# Altium PCB norbi_lm.PcbDoc (part 4 of 5)
Units mm, origin at the board's own origin, x right, y up, seen from the top; angles counter-clockwise.
Board outline 96.04 x 102.67 mm, 6 copper layers (Top Layer, Power Layer, Signal Layer 1, GND Plane, Signal Layer 2, Bottom Layer), stack 1.48 mm thick; 451 components, 338 nets, 1877 pads, 1157 vias.
Unrouted connection lines stored in the file: 161.
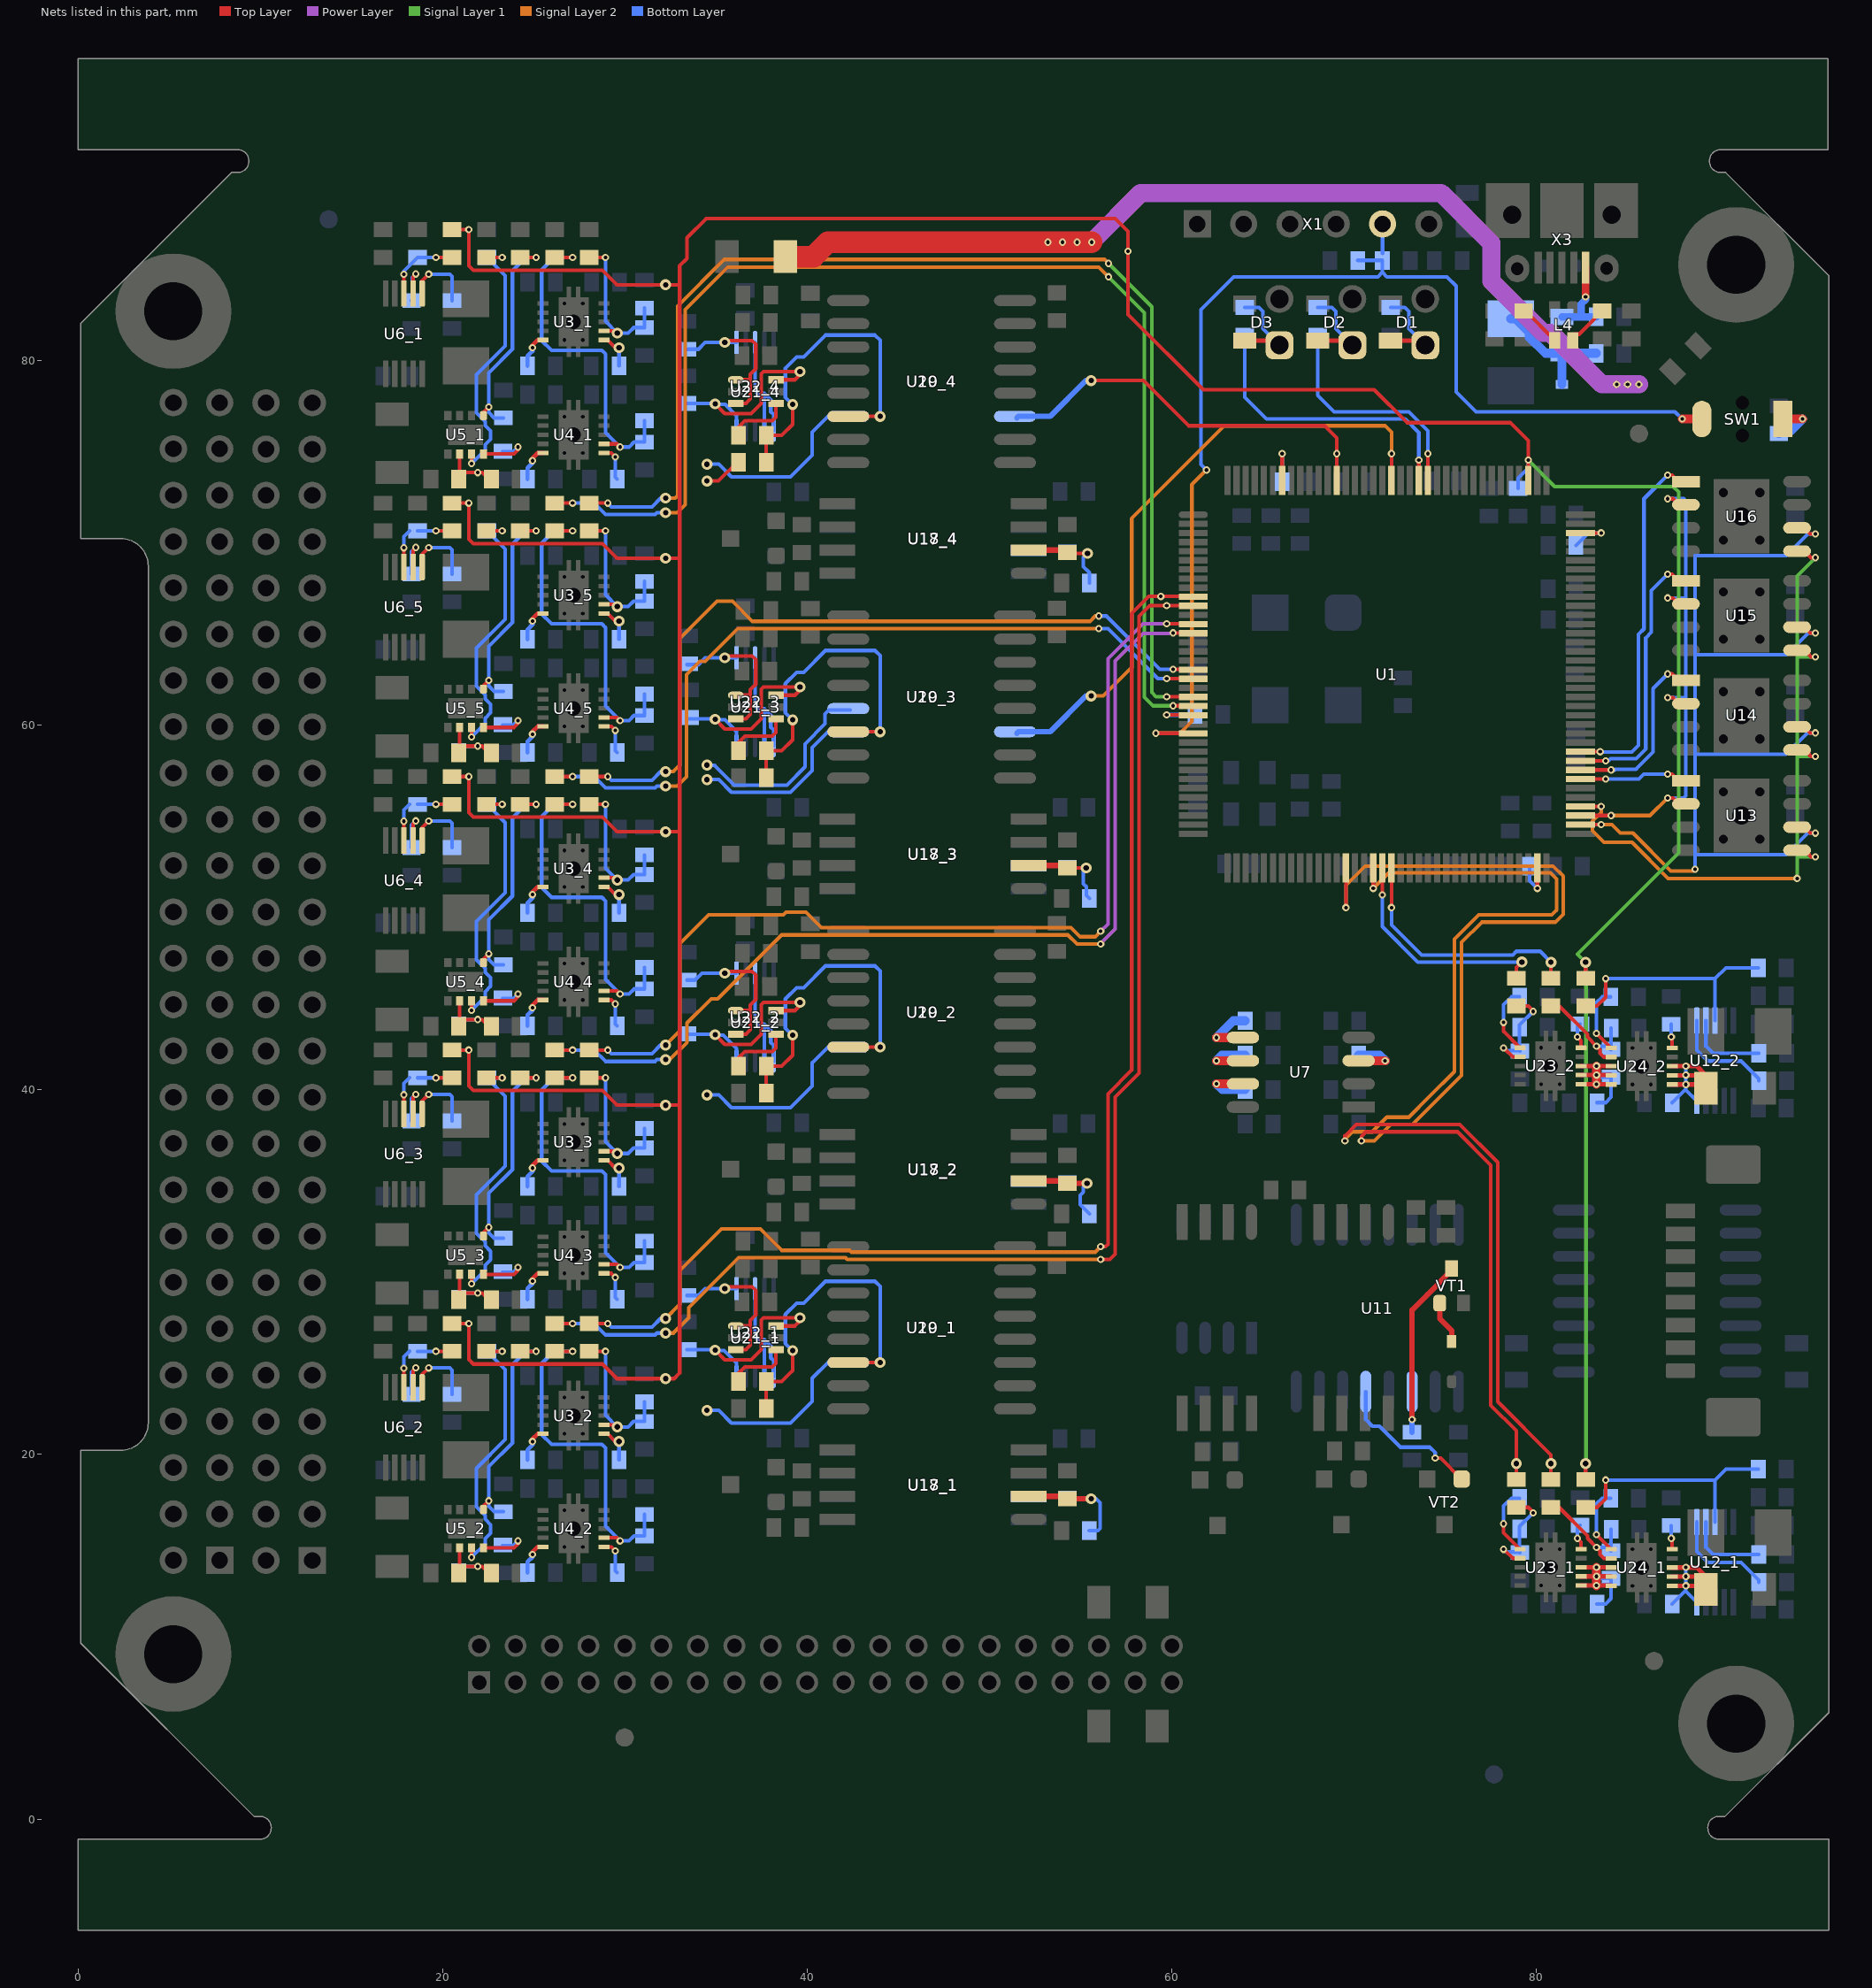
[diagram p8: the nets of this part, all layers, seen from the top]

## Via types
v1: diameter 0.4, hole 0.2, Top Layer to Bottom Layer, tented both sides, 743 vias
v2: diameter 0.6, hole 0.3, Top Layer to Bottom Layer, 348 vias
v3: diameter 0.6, hole 0.6, Top Layer to Bottom Layer, 16 vias
v4: diameter 0.7, hole 0.4, Top Layer to Bottom Layer, 16 vias
v5: diameter 0.5, hole 0.2, Top Layer to Bottom Layer, 10 vias
v6: diameter 0.7, hole 0.35, Top Layer to Bottom Layer, 7 vias
v7: diameter 1.1, hole 0.8, Top Layer to Bottom Layer, 5 vias
v8: diameter 1.3, hole 0.85, Top Layer to Bottom Layer, 4 vias
v9: diameter 1, hole 0.7, Top Layer to Bottom Layer, 2 vias
v10: diameter 0.5, hole 0.3, Top Layer to Bottom Layer, 2 vias
v11: diameter 4.5, hole 3, Top Layer to Bottom Layer, 2 vias
v12: diameter 0.6, hole 0.4, Top Layer to Bottom Layer, 1 vias
v13: diameter 1.2, hole 0.8, Top Layer to Bottom Layer, 1 vias

## Nets (pads, with @x,y where several pads share a name; then routed paths per layer and width w, separated by ;. In a path a pad name is that pad's centre, name@x,y a point inside that pad or via, vN(x,y) a via of type N, cw(c..) or ccw(c..) an arc to the next point about the centre after c; other vN are vias at no path point) (continued)
KU_3_PL1.2: U1.126 U19_3.6 | length 35.1
  Top Layer w0.2: U1.126@72.05,73.425 v1(72.05,74.9)
  Signal Layer 2 w0.2: v2(55.578,61.61) 56.245,61.61 57.8,63.165 57.8,71.334 62.896,76.43 71.702,76.43 72.05,76.082 v1(72.05,74.9)
  Bottom Layer w0.3: U19_3.6@51.5,59.56 51.585,59.645 53.325,59.645 55.3,61.62 55.31,61.61 v2(55.578,61.61)
KU_3_PL2: U1.132 U19_4.6 | length 22
  Top Layer w0.2: v2(55.578,78.91) 58.44,78.91 60.92,76.43 68.37,76.43 69.05,75.75 v1(69.05,74.9) U1.132@69.05,73.425
  Bottom Layer w0.3: U19_4.6@51.5,76.86 51.585,76.945 53.325,76.945 55.3,78.92 55.31,78.91 v2(55.578,78.91)
KU_3_PL_PL1.1A: U19_1.11 | length 10.3
  Bottom Layer w0.2: v2(34.5,22.42) 35.142,22.42 35.842,21.72 39.078,21.72 40.278,22.92 40.278,24.184 41.139,25.045 U19_1.11@42.25,25.045 42.265,25.045 U19_1.11@42.35,24.96
KU_3_PL_PL1.1B: U19_2.11 | length 10.3
  Bottom Layer w0.2: v2(34.5,39.72) 35.142,39.72 35.842,39.02 39.078,39.02 40.278,40.22 40.278,41.484 41.139,42.345 U19_2.11@42.25,42.345 42.265,42.345 U19_2.11@42.35,42.26
KU_3_PL_PL2: U19_4.11 | length 10.3
  Bottom Layer w0.2: v2(34.5,74.32) 35.142,74.32 35.842,73.62 39.078,73.62 40.278,74.82 40.278,76.084 41.139,76.945 U19_4.11@42.25,76.945 42.265,76.945 U19_4.11@42.35,76.86
KU_PL_2_PL1.2: U19_3.12 | length 11.1
  Bottom Layer w0.2: v2@34.5,57.81 34.918,57.81 36.008,56.72 38.878,56.72 39.878,57.72 39.878,58.978 40.978,60.078 40.978,60.62 41.188,60.83 U19_3.12@42.35,60.83
  other v2: 34.5,57.82
KU_PL_3_PL1.2: U19_3.11 | length 10.3
  Bottom Layer w0.2: v2(34.5,57.02) 35.142,57.02 35.842,56.32 39.078,56.32 40.278,57.52 40.278,58.784 41.139,59.645 U19_3.11@42.25,59.645 42.265,59.645 U19_3.11@42.35,59.56
LED_CONNECTION: R18.1 U1.123 | length 16.4
  Top Layer w0.2: U1.123@73.55,73.425 v1(73.55,74.55)
  Bottom Layer w0.2: R18.1@64,81.4 64,78 65.2,76.8 72.8,76.8 73.55,76.05 v1(73.55,74.55)
LED_MCU_STATE: R17.1 U1.122 | length 12.9
  Top Layer w0.2: U1.122@74.05,73.425 v1(74.05,74.9)
  Bottom Layer w0.2: R17.1@68,81.4 68,78.1 68.9,77.2 73,77.2 74.05,76.15 v1(74.05,74.9)
MEM_CS0: U1.79 U13.1 | length 6.1
  Top Layer w0.2: U1.79@82.425,57.05 v1@83.9,57.05 ; v1(87.2,57.315) 87.45,57.315 87.542,57.223 87.542,57.172 87.759,56.955 U13.1@88.204,56.955
  Bottom Layer w0.2: v1@83.9,57.05 85.625,57.05 85.89,57.315 v1(87.2,57.315)
  other v1: 83.8,57.05
MEM_CS1: U1.80 U14.1 | length 10
  Top Layer w0.2: U1.80@82.425,57.55 v1(84.1,57.55) ; v1(87.2,62.815) 87.45,62.815 87.542,62.723 87.542,62.672 87.759,62.455 U14.1@88.204,62.455
  Bottom Layer w0.2: 84.3,57.55 84.338,57.588 85.462,57.588 86.4,58.527 86.4,62.015 v1(87.2,62.815)
MEM_CS2: U1.81 U15.1 | length 15.1
  Top Layer w0.2: U1.81@82.425,58.05 v1(83.8,58.05) v1@83.9,58.05 ; v1(87.2,68.285) 87.45,68.285 87.542,68.193 87.542,68.142 87.759,67.925 U15.1@88.204,67.925
  Bottom Layer w0.2: v1@83.9,58.05 83.954,58.05 84.07,58.166 85.466,58.166 86,58.7 86,64.8 86.3,65.1 86.3,67.385 v1(87.2,68.285)
MEM_CS3: U1.82 U16.1 | length 20
  Top Layer w0.2: U1.82@82.425,58.55 v1(83.5,58.55) v1@83.55,58.55 ; v1(87.2,73.725) 87.45,73.725 87.542,73.633 87.542,73.582 87.759,73.365 U16.1@88.204,73.365
  Bottom Layer w0.2: v1@83.55,58.55 83.564,58.536 85.236,58.536 85.6,58.9 85.6,64.99 85.9,65.29 85.9,72.425 v1(87.2,73.725)
MEM_MISO: U1.75 U13.2 U14.2 U15.2 U16.2 | length 29.8
  Top Layer w0.2: U1.75@82.425,55.05 v1(84.1,55.05) ; v1(87.2,56.015) 87.5,56.015 87.83,55.685 U13.2@88.204,55.685 ; v1(87.2,61.515) 87.5,61.515 87.83,61.185 U14.2@88.204,61.185 ; v1(87.2,66.985) 87.5,66.985 87.83,66.655 U15.2@88.204,66.655 ; v1(87.2,72.425) 87.5,72.425 87.83,72.095 U16.2@88.204,72.095
  Signal Layer 2 w0.2: 84.3,55.05 86.235,55.05 v1(87.2,56.015)
  Bottom Layer w0.2: v1(87.2,56.015) 88.083,56.015 88.2,56.132 88.2,61.515 ; v1(87.2,61.515) 88.2,61.515 ; v1(87.2,66.985) 88.17,66.985 88.2,67.015 ; v1(87.2,72.425) 88.083,72.425 88.2,72.308 88.2,67.015 ; 88.2,61.515 88.2,67.015
MEM_MOSI: U1.76 U13.5 U14.5 U15.5 U16.5 | length 40.8
  Top Layer w0.2: U1.76@82.425,55.55 v1(83.55,55.55) ; U13.5@94.3,53.145 94.744,53.145 94.962,52.927 94.962,52.877 95.054,52.785 v1(95.304,52.785) ; U14.5@94.3,58.645 94.744,58.645 94.962,58.427 94.962,58.377 95.054,58.285 v1(95.304,58.285) ; U15.5@94.3,64.115 94.744,64.115 94.962,63.897 94.962,63.847 95.054,63.755 v1(95.304,63.755) ; U16.5@94.3,69.555 94.744,69.555 94.962,69.337 94.962,69.287 95.054,69.195 v1(95.304,69.195)
  Signal Layer 1 w0.2: v1(94.3,51.6) 94.3,52.8 ; v1(95.304,52.785) 94.315,52.785 94.3,52.8 ; v1(95.304,58.285) 94.385,58.285 94.3,58.2 ; v1(95.304,63.755) 94.345,63.755 94.3,63.8 ; v1(95.304,69.195) 94.3,68.191 94.3,63.8 ; 94.3,52.8 94.3,58.2 ; 94.3,58.2 94.3,63.8
  Signal Layer 2 w0.2: v1(83.55,55.55) 83.55,55.215 83.08,54.745 83.08,54.205 83.705,53.58 85.244,53.58 87.224,51.6 v1(94.3,51.6)
MEM_SCK: U1.74 U13.6 U14.6 U15.6 U16.6 | length 57.5
  Top Layer w0.2: U1.74@82.425,54.55 v1(83.55,54.55) ; U13.6@94.3,54.415 94.674,54.415 95.004,54.085 v1(95.304,54.085) ; U14.6@94.3,59.915 94.674,59.915 95.004,59.585 v1(95.304,59.585) ; U15.6@94.3,65.385 94.674,65.385 95.004,65.055 v1(95.304,65.055) ; U16.6@94.3,70.825 94.674,70.825 95.004,70.495 v1(95.304,70.495)
  Signal Layer 2 w0.2: v1(83.55,54.55) 84.135,54.55 84.6,54.085 85.293,54.085 87.378,52 88.6,52 v1(88.7,52.1)
  Bottom Layer w0.2: v1(88.7,52.1) 88.7,52.905 ; v1(95.304,54.085) 94.885,54.085 93.705,52.905 88.7,52.905 ; v1(95.304,59.585) 94.865,59.585 93.685,58.405 88.7,58.405 ; v1(95.304,65.055) 94.905,65.055 93.725,63.875 88.7,63.875 ; v1(95.304,70.495) 94.895,70.495 93.715,69.315 88.7,69.315 88.7,63.875 ; 88.7,52.905 88.7,58.405 ; 88.7,58.405 88.7,63.875
NetC1_2: C1.2 U1.106 | length 2.8
  Top Layer w0.2: U1.106@82.425,70.55 v1(83.55,70.55)
  Bottom Layer w0.2: C1.2@82.169,69.867 82.852,70.55 v1(83.55,70.55)
NetC2_2: C2.2 U1.71 | length 2.5
  Top Layer w0.2: v1(80.05,51.05) U1.71@80.05,52.175
  Bottom Layer w0.2: C2.2@79.624,52.278 79.624,51.476 v1(80.05,51.05)
NetC24_1_2: C24_1.2 U3_1.1 | length 2
  Top Layer w0.2: U3_1.1@28.857,81.133 29.057,81.133 29.478,80.712 v2(29.678,80.712)
  Bottom Layer w0.2: C24_1.2@29.678,79.712 29.678,80.612 v2(29.678,80.712)
NetC24_2_2: C24_2.2 U3_2.1 | length 2
  Top Layer w0.2: U3_2.1@28.857,21.133 29.057,21.133 29.478,20.712 v2(29.678,20.712)
  Bottom Layer w0.2: C24_2.2@29.678,19.712 29.678,20.612 v2(29.678,20.712)
NetC24_3_2: C24_3.2 U3_3.1 | length 2
  Top Layer w0.2: U3_3.1@28.857,36.133 29.057,36.133 29.478,35.712 v2(29.678,35.712)
  Bottom Layer w0.2: C24_3.2@29.678,34.712 29.678,35.612 v2(29.678,35.712)
NetC24_4_2: C24_4.2 U3_4.1 | length 2
  Top Layer w0.2: U3_4.1@28.857,51.133 29.057,51.133 29.478,50.712 v2(29.678,50.712)
  Bottom Layer w0.2: C24_4.2@29.678,49.712 29.678,50.612 v2(29.678,50.712)
NetC24_5_2: C24_5.2 U3_5.1 | length 2
  Top Layer w0.2: U3_5.1@28.857,66.133 29.057,66.133 29.478,65.712 v2(29.678,65.712)
  Bottom Layer w0.2: C24_5.2@29.678,64.712 29.678,65.612 v2(29.678,65.712)
NetC26_1_2: C26_1.2 U4_1.1 | length 2
  Top Layer w0.2: U4_1.1@28.857,74.933 29.259,74.933 v1(29.478,74.714)
  Bottom Layer w0.2: v1(29.478,74.714) 29.478,73.612 29.529,73.561 C26_1.2@29.578,73.512
NetC26_2_2: C26_2.2 U4_2.1 | length 2
  Top Layer w0.2: U4_2.1@28.857,14.933 29.259,14.933 v1(29.478,14.714)
  Bottom Layer w0.2: v1(29.478,14.714) 29.478,13.612 29.529,13.561 C26_2.2@29.578,13.512
NetC26_3_2: C26_3.2 U4_3.1 | length 2
  Top Layer w0.2: U4_3.1@28.857,29.933 29.259,29.933 v1(29.478,29.714)
  Bottom Layer w0.2: v1(29.478,29.714) 29.478,28.612 29.529,28.561 C26_3.2@29.578,28.512
NetC26_4_2: C26_4.2 U4_4.1 | length 2
  Top Layer w0.2: U4_4.1@28.857,44.933 29.259,44.933 v1(29.478,44.714)
  Bottom Layer w0.2: v1(29.478,44.714) 29.478,43.612 29.529,43.561 C26_4.2@29.578,43.512
NetC26_5_2: C26_5.2 U4_5.1 | length 2
  Top Layer w0.2: U4_5.1@28.857,59.933 29.259,59.933 v1(29.478,59.714)
  Bottom Layer w0.2: v1(29.478,59.714) 29.478,58.612 29.529,58.561 C26_5.2@29.578,58.512
NetC28_1_2: C28_1.2 U5_1.8 | length 3.1
  Top Layer w0.2: U5_1.8@22.237,74.882 23.908,74.882 24.132,75.105 v1(24.132,75.261)
  Bottom Layer w0.2: C28_1.2@23.278,75.002 23.874,75.002 v1(24.132,75.261)
NetC28_2_2: C28_2.2 U5_2.8 | length 3.1
  Top Layer w0.2: U5_2.8@22.237,14.882 23.908,14.882 24.132,15.105 v1(24.132,15.261)
  Bottom Layer w0.2: C28_2.2@23.278,15.002 23.874,15.002 v1(24.132,15.261)
NetC28_3_2: C28_3.2 U5_3.8 | length 3.1
  Top Layer w0.2: U5_3.8@22.237,29.882 23.908,29.882 24.132,30.105 v1(24.132,30.261)
  Bottom Layer w0.2: C28_3.2@23.278,30.002 23.874,30.002 v1(24.132,30.261)
NetC28_4_2: C28_4.2 U5_4.8 | length 3.1
  Top Layer w0.2: U5_4.8@22.237,44.882 23.908,44.882 24.132,45.105 v1(24.132,45.261)
  Bottom Layer w0.2: C28_4.2@23.278,45.002 23.874,45.002 v1(24.132,45.261)
NetC28_5_2: C28_5.2 U5_5.8 | length 3.1
  Top Layer w0.2: U5_5.8@22.237,59.882 23.908,59.882 24.132,60.105 v1(24.132,60.261)
  Bottom Layer w0.2: C28_5.2@23.278,60.002 23.874,60.002 v1(24.132,60.261)
NetC39_1_2: C39_1.2 R57_1.2 U23_1.6 U23_1.7 U23_1.8 U24_1.3 U24_1.4 U24_1.5 | length 9.8
  Top Layer w0.2: v1@83.295,13.312 v1(83.3,13.312) ; v1@83.295,13.807 v1(83.3,13.812) ; U24_1.5@84.088,12.812 U24_1.5@84.1,12.8 ; U24_1.4@84.088,13.312 U24_1.4@84.1,13.3 ; U24_1.3@84.088,13.812 U24_1.3@84.1,13.8
  Top Layer w0.25: U23_1.6@82.45,12.812 v1(83.295,12.812) U24_1.5@84.088,12.812 ; U23_1.7@82.45,13.312 v1@83.295,13.312 ; U23_1.8@82.45,13.812 v1(83.3,13.812) U24_1.3@84.088,13.812 ; v1(83.3,13.312) U24_1.4@84.088,13.312
  Top Layer w0.5: v1(83.295,12.812) 83.295,13.312 v1@83.295,13.807
  Bottom Layer w0.2: v1(83.295,12.812) v1@83.295,13.2 ; v1(83.3,13.812) v1(83.3,13.312) 83.3,13.205 v1@83.295,13.2 ; C39_1.2@83.324,11.8 83.8,11.8 84.1,12.1 R57_1.2@84.1,13.2 v1@83.295,13.2
NetC39_2_2: C39_2.2 R57_2.2 U23_2.6 U23_2.7 U23_2.8 U24_2.3 U24_2.4 U24_2.5 | length 9.8
  Top Layer w0.2: v1@83.295,40.812 v1(83.3,40.812) ; v1@83.295,41.307 v1(83.3,41.312) ; U24_2.5@84.088,40.312 U24_2.5@84.1,40.3 ; U24_2.4@84.088,40.812 U24_2.4@84.1,40.8 ; U24_2.3@84.088,41.312 U24_2.3@84.1,41.3
  Top Layer w0.25: U23_2.6@82.45,40.312 v1(83.295,40.312) U24_2.5@84.088,40.312 ; U23_2.7@82.45,40.812 v1@83.295,40.812 ; U23_2.8@82.45,41.312 v1(83.3,41.312) U24_2.3@84.088,41.312 ; v1(83.3,40.812) U24_2.4@84.088,40.812
  Top Layer w0.5: v1(83.295,40.312) 83.295,40.812 v1@83.295,41.307
  Bottom Layer w0.2: v1(83.295,40.312) v1@83.295,40.7 ; v1(83.3,41.312) v1(83.3,40.812) 83.3,40.705 v1@83.295,40.7 ; C39_2.2@83.324,39.3 83.8,39.3 84.1,39.6 R57_2.2@84.1,40.7 v1@83.295,40.7
NetC40_1_2: C40_1.2 U23_1.1 | length 3.8
  Top Layer w0.2: v1@78.3,16.2 78.2,16.1 78.2,15.712 U23_1.1@79.1,14.812
  Bottom Layer w0.2: v1(78.2,16.2) 78.2,17.176 78.624,17.6 C40_1.2@79.076,17.6
NetC40_2_2: C40_2.2 U23_2.1 | length 3.8
  Top Layer w0.2: v1@78.3,43.7 78.2,43.6 78.2,43.212 U23_2.1@79.1,42.312
  Bottom Layer w0.2: v1(78.2,43.7) 78.2,44.676 78.624,45.1 C40_2.2@79.076,45.1
NetC41_1_2: C41_1.2 R61_1.2 U12_1.10 U24_1.6 U24_1.7 U24_1.8 | length 9.2
  Top Layer w0.2: R61_1.2@88.8,12.8 R61_1.2@89.3,13.3
  Top Layer w0.25: U24_1.6@87.45,12.8 v1(88.2,12.8) R61_1.2@88.8,12.8 ; U24_1.7@87.45,13.3 88.2,13.3 89.3,13.3 88.8,13.8 88.2,13.8 U24_1.8@87.45,13.8
  Bottom Layer w0.2: C41_1.2@87.45,11.8 88.2,12.55 ; v1(88.2,13.807) v1(88.2,13.312) v1(88.2,12.8) 88.2,12.55 ; U12_1.10@88.8,11.9 88.2,12.5 88.2,12.55
NetC41_2_2: C41_2.2 R61_2.2 U12_2.10 U24_2.6 U24_2.7 U24_2.8 | length 9.2
  Top Layer w0.2: R61_2.2@88.8,40.3 R61_2.2@89.3,40.8
  Top Layer w0.25: U24_2.6@87.45,40.3 v1(88.2,40.3) R61_2.2@88.8,40.3 ; U24_2.7@87.45,40.8 88.2,40.8 89.3,40.8 88.8,41.3 88.2,41.3 U24_2.8@87.45,41.3
  Bottom Layer w0.2: C41_2.2@87.45,39.3 88.2,40.05 ; v1(88.2,41.307) v1(88.2,40.812) v1(88.2,40.3) 88.2,40.05 ; U12_2.10@88.8,39.4 88.2,40 88.2,40.05
NetC42_1_2: C42_1.2 U24_1.1 | length 3.7
  Top Layer w0.2: v1(83.295,15.605) U24_1.1@84.1,14.8
  Bottom Layer w0.2: v1(83.295,15.605) 83.295,17.295 83.6,17.6 C42_1.2@84.076,17.6
NetC42_2_2: C42_2.2 U24_2.1 | length 3.7
  Top Layer w0.2: v1(83.295,43.105) U24_2.1@84.1,42.3
  Bottom Layer w0.2: v1(83.295,43.105) 83.295,44.795 83.6,45.1 C42_2.2@84.076,45.1
NetC58_1: C58.1 C60.2 L3.2 VD2.2 | length 7.3
  Bottom Layer w0.5: C58.1@78.6,82.3 78.854,82.3 79.62,81.534 79.62,81.28 80.5,80.4 L3.2@81.4,80.4 ; VD2.2@81.4,78.7 L3.2@81.4,80.4 ; C60.2@83.276,80.4 L3.2@81.4,80.4
NetC59_2: C59.2 L3.1 X3.1 | length 4.7
  Top Layer w0.4: v1(82.7,83.5) X3.1@82.7,85.1
  Bottom Layer w0.4: L3.1@81.4,82.4 82.338,82.4 ; v1(82.7,83.5) 82.7,83.35 82.45,83.1 82.45,82.512 82.338,82.4 ; C59.2@83.276,82.4 82.338,82.4
NetD1_1: D1.1 R16.2 | length 3.3
  Bottom Layer w0.2: R16.2@72,82.924 72.776,82.924 73,82.7 73,81.751 D1.1@73.905,80.846
NetD2_1: D2.1 R17.2 | length 3.3
  Bottom Layer w0.2: R17.2@68,82.924 68.776,82.924 69,82.7 69,81.751 D2.1@69.905,80.846
NetD3_1: D3.1 R18.2 | length 3.3
  Bottom Layer w0.2: R18.2@64,82.924 64.776,82.924 65,82.7 65,81.751 D3.1@65.905,80.846
NetL4_3: L4.3 R78.2 | length 2.7
  Top Layer w0.2: R78.2@79.3,82.724 79.626,82.724 79.626,82.5 80.676,81.45 80.9,81.45 81.1,81.25 L4.3@81.1,81.1
NetL4_4: L4.4 R79.2 | length 2.4
  Top Layer w0.2: L4.4@82.1,81.1 82.1,81.45 82.35,81.45 83.2,82.3 83.2,82.418 83.506,82.724 R79.2@83.6,82.724
NetR1_1: R1.1 VD2.1 | length 58.2
  Top Layer w1.2: R1.1@38.9,85.7 40.34,85.7 41.139,86.5 v1(53.2,86.5) v1(54,86.5) v1(54.8,86.5) v1(55.6,86.5)
  Power Layer w1: v1(53.2,86.5) v1(54,86.5) v1(54.8,86.5) v1(55.6,86.5) 58.3,89.2 74.772,89.2 77.53,86.442 77.53,84.362 80.361,81.531 80.769,81.531 83.6,78.7 v1(85.624,78.7)
  Bottom Layer w0.5: VD2.1@83.6,78.7 v1(85.624,78.7)
  other v1: 84.4,78.7 85,78.7
NetR4_1: R4.1 U1.23 | length 3
  Top Layer w0.2: v1(59.716,60.566) U1.23@61.191,60.566
  Bottom Layer w0.2: R4.1@61.242,60.566 R4.1@61.276,60.6
  Bottom Layer w0.25: v1(59.716,60.566) R4.1@61.242,60.566
NetR7_2: R7.2 U1.138 | length 3
  Top Layer w0.2: U1.138@66.05,73.425 v1(66.05,74.9)
  Bottom Layer w0.2: R7.2@66.05,73.35 v1(66.05,74.9)
NetR19_1: R19.1 SW1.2 | length 2.7
  Top Layer w0.5: SW1.2@93.525,76.8 v1(94.6,76.8)
  Bottom Layer w0.5: R19.1@93.3,76 93.456,76.156 93.956,76.156 v1(94.6,76.8)
NetR21_1_2: R21_1.2 R22_1.1 R24_1.1 U3_1.2 | length 8.8
  Top Layer w0.2: R24_1.1@28.032,85.661 v1(28.932,85.661) ; U3_1.2@28.857,81.633 29.457,81.633 v2(29.578,81.512)
  Bottom Layer w0.2: v1(28.932,85.661) 28.932,82.158 v2(29.578,81.512) 30.178,81.512 30.478,81.812 R22_1.1@31.078,81.812 R21_1.2@31.078,82.888
NetR21_2_2: R21_2.2 R22_2.1 R24_2.1 U3_2.2 | length 8.8
  Top Layer w0.2: R24_2.1@28.032,25.661 v1(28.932,25.661) ; U3_2.2@28.857,21.633 29.457,21.633 v2(29.578,21.512)
  Bottom Layer w0.2: v1(28.932,25.661) 28.932,22.158 v2(29.578,21.512) 30.178,21.512 30.478,21.812 R22_2.1@31.078,21.812 R21_2.2@31.078,22.888
NetR21_3_2: R21_3.2 R22_3.1 R24_3.1 U3_3.2 | length 8.8
  Top Layer w0.2: R24_3.1@28.032,40.661 v1(28.932,40.661) ; U3_3.2@28.857,36.633 29.457,36.633 v2(29.578,36.512)
  Bottom Layer w0.2: v1(28.932,40.661) 28.932,37.158 v2(29.578,36.512) 30.178,36.512 30.478,36.812 R22_3.1@31.078,36.812 R21_3.2@31.078,37.888
NetR21_4_2: R21_4.2 R22_4.1 R24_4.1 U3_4.2 | length 8.8
  Top Layer w0.2: R24_4.1@28.032,55.661 v1(28.932,55.661) ; U3_4.2@28.857,51.633 29.457,51.633 v2(29.578,51.512)
  Bottom Layer w0.2: v1(28.932,55.661) 28.932,52.158 v2(29.578,51.512) 30.178,51.512 30.478,51.812 R22_4.1@31.078,51.812 R21_4.2@31.078,52.888
NetR21_5_2: R21_5.2 R22_5.1 R24_5.1 U3_5.2 | length 8.8
  Top Layer w0.2: R24_5.1@28.032,70.661 v1(28.932,70.661) ; U3_5.2@28.857,66.633 29.457,66.633 v2(29.578,66.512)
  Bottom Layer w0.2: v1(28.932,70.661) 28.932,67.158 v2(29.578,66.512) 30.178,66.512 30.478,66.812 R22_5.1@31.078,66.812 R21_5.2@31.078,67.888
NetR23_1_2: R23_1.2 U3_1.10 | length 1.5
  Top Layer w0.24: v1@24.928,80.846 U3_1.10@25.215,81.133
  Bottom Layer w0.24: R23_1.2@24.654,79.712 24.654,80.25 24.928,80.523 v1(24.928,80.712)
NetR23_2_2: R23_2.2 U3_2.10 | length 1.5
  Top Layer w0.24: v1@24.928,20.846 U3_2.10@25.215,21.133
  Bottom Layer w0.24: R23_2.2@24.654,19.712 24.654,20.25 24.928,20.523 v1(24.928,20.712)
NetR23_3_2: R23_3.2 U3_3.10 | length 1.5
  Top Layer w0.24: v1@24.928,35.846 U3_3.10@25.215,36.133
  Bottom Layer w0.24: R23_3.2@24.654,34.712 24.654,35.25 24.928,35.523 v1(24.928,35.712)
NetR23_4_2: R23_4.2 U3_4.10 | length 1.5
  Top Layer w0.24: v1@24.928,50.846 U3_4.10@25.215,51.133
  Bottom Layer w0.24: R23_4.2@24.654,49.712 24.654,50.25 24.928,50.523 v1(24.928,50.712)
NetR23_5_2: R23_5.2 U3_5.10 | length 1.5
  Top Layer w0.24: v1@24.928,65.846 U3_5.10@25.215,66.133
  Bottom Layer w0.24: R23_5.2@24.654,64.712 24.654,65.25 24.928,65.523 v1(24.928,65.712)
NetR25_1_1: R25_1.1 R27_1.2 R28_1.1 U4_1.2 | length 19.7
  Top Layer w0.2: R25_1.1@26.149,85.661 v1(27.132,85.661) ; U4_1.2@28.857,75.433 29.559,75.433 v1(29.732,75.261)
  Bottom Layer w0.2: v1(27.132,85.661) 26.108,85.661 25.432,84.985 25.432,81.098 25.969,80.561 28.732,80.561 28.932,80.361 28.932,76.061 v1(29.732,75.261) 30.227,75.261 30.502,75.536 R28_1.1@31.078,75.536 R27_1.2@31.078,76.712
NetR25_2_1: R25_2.1 R27_2.2 R28_2.1 U4_2.2 | length 19.7
  Top Layer w0.2: R25_2.1@26.149,25.661 v1(27.132,25.661) ; U4_2.2@28.857,15.433 29.559,15.433 v1(29.732,15.261)
  Bottom Layer w0.2: v1(27.132,25.661) 26.108,25.661 25.432,24.985 25.432,21.098 25.969,20.561 28.732,20.561 28.932,20.361 28.932,16.061 v1(29.732,15.261) 30.227,15.261 30.502,15.536 R28_2.1@31.078,15.536 R27_2.2@31.078,16.712
NetR25_3_1: R25_3.1 R27_3.2 R28_3.1 U4_3.2 | length 19.7
  Top Layer w0.2: R25_3.1@26.149,40.661 v1(27.132,40.661) ; U4_3.2@28.857,30.433 29.559,30.433 v1(29.732,30.261)
  Bottom Layer w0.2: v1(27.132,40.661) 26.108,40.661 25.432,39.985 25.432,36.098 25.969,35.561 28.732,35.561 28.932,35.361 28.932,31.061 v1(29.732,30.261) 30.227,30.261 30.502,30.536 R28_3.1@31.078,30.536 R27_3.2@31.078,31.712
NetR25_4_1: R25_4.1 R27_4.2 R28_4.1 U4_4.2 | length 19.7
  Top Layer w0.2: R25_4.1@26.149,55.661 v1(27.132,55.661) ; U4_4.2@28.857,45.433 29.559,45.433 v1(29.732,45.261)
  Bottom Layer w0.2: v1(27.132,55.661) 26.108,55.661 25.432,54.985 25.432,51.098 25.969,50.561 28.732,50.561 28.932,50.361 28.932,46.061 v1(29.732,45.261) 30.227,45.261 30.502,45.536 R28_4.1@31.078,45.536 R27_4.2@31.078,46.712
NetR25_5_1: R25_5.1 R27_5.2 R28_5.1 U4_5.2 | length 19.7
  Top Layer w0.2: R25_5.1@26.149,70.661 v1(27.132,70.661) ; U4_5.2@28.857,60.433 29.559,60.433 v1(29.732,60.261)
  Bottom Layer w0.2: v1(27.132,70.661) 26.108,70.661 25.432,69.985 25.432,66.098 25.969,65.561 28.732,65.561 28.932,65.361 28.932,61.061 v1(29.732,60.261) 30.227,60.261 30.502,60.536 R28_5.1@31.078,60.536 R27_5.2@31.078,61.712
NetR26_1_1: R26_1.1 R31_1.1 U5_1.1 | length 12.3
  Top Layer w0.2: U5_1.1@22.222,76.996 22.222,77.151 v1(22.532,77.461) ; R26_1.1@24.265,85.661 v1(25.132,85.661)
  Bottom Layer w0.2: R31_1.1@23.332,76.861 22.832,76.861 22.532,77.161 v1(22.532,77.461) 22.532,79.335 23.832,80.635 23.832,84.926 24.566,85.661 v1(25.132,85.661)
NetR26_2_1: R26_2.1 R31_2.1 U5_2.1 | length 12.3
  Top Layer w0.2: U5_2.1@22.222,16.996 22.222,17.151 v1(22.532,17.461) ; R26_2.1@24.265,25.661 v1(25.132,25.661)
  Bottom Layer w0.2: R31_2.1@23.332,16.861 22.832,16.861 22.532,17.161 v1(22.532,17.461) 22.532,19.335 23.832,20.635 23.832,24.926 24.566,25.661 v1(25.132,25.661)
NetR26_3_1: R26_3.1 R31_3.1 U5_3.1 | length 12.3
  Top Layer w0.2: U5_3.1@22.222,31.996 22.222,32.151 v1(22.532,32.461) ; R26_3.1@24.265,40.661 v1(25.132,40.661)
  Bottom Layer w0.2: R31_3.1@23.332,31.861 22.832,31.861 22.532,32.161 v1(22.532,32.461) 22.532,34.335 23.832,35.635 23.832,39.926 24.566,40.661 v1(25.132,40.661)